# KiCad board q2v2.kicad_pcb (continued)
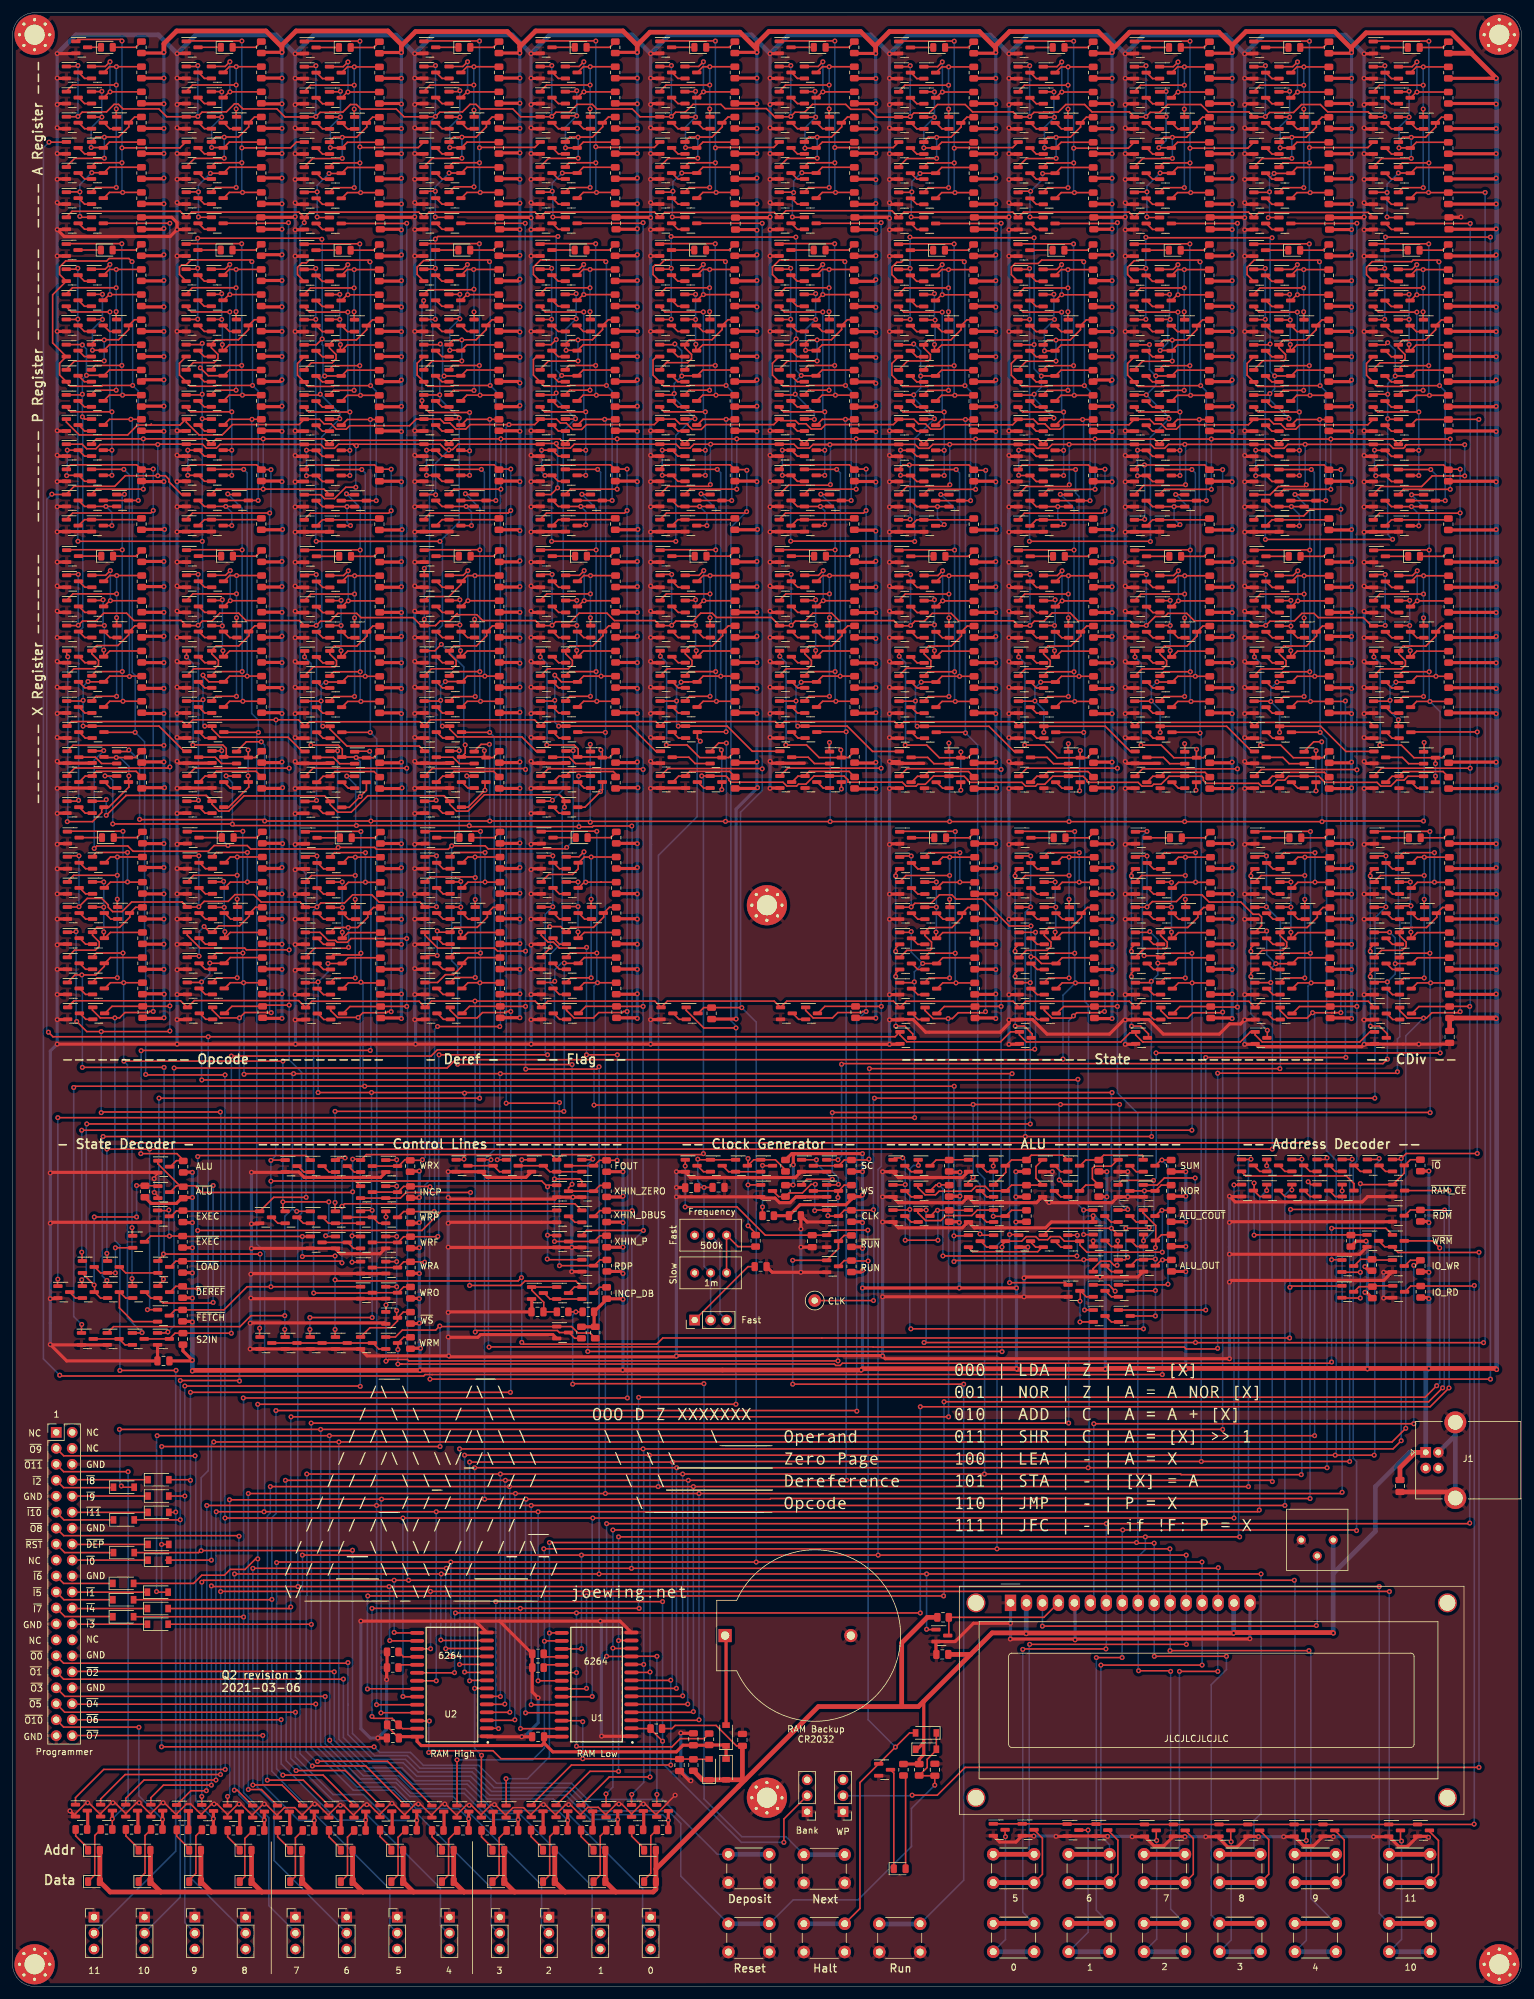
[diagram p0: board, top side]
## Placement (name value [footprint] x y rotation side) (continued)
R378  4.7k  [R_0805_2012Metric]  14.95 24.98 0 top
R379  4.7k  [R_0805_2012Metric]  67.64 24.82 0 top
R380  4.7k  [R_0805_2012Metric]  71.64 24.82 0 top
R381  4.7k  [R_0805_2012Metric]  18.94 24.97 0 top
R382  4.7k  [R_0805_2012Metric]  22.94 24.97 0 top
R383  4.7k  [R_0805_2012Metric]  75.51 24.82 0 top
R384  4.7k  [R_0805_2012Metric]  79.51 24.82 0 top
R385  4.7k  [R_0805_2012Metric]  27.03 24.92 0 top
R386  4.7k  [R_0805_2012Metric]  31.03 24.92 0 top
R387  4.7k  [R_0805_2012Metric]  83.39 24.87 0 top
R388  4.7k  [R_0805_2012Metric]  87.39 24.87 0 top
R389  4.7k  [R_0805_2012Metric]  35.13 24.82 0 top
R390  4.7k  [R_0805_2012Metric]  39.13 24.82 0 top
R391  4.7k  [R_0805_2012Metric]  91.35 24.87 0 top
R392  4.7k  [R_0805_2012Metric]  95.35 24.87 0 top
R393  4.7k  [R_0805_2012Metric]  43.08 24.82 0 top
R394  4.7k  [R_0805_2012Metric]  47.08 24.82 0 top
R395  4.7k  [R_0805_2012Metric]  99.4 24.92 0 top
R396  4.7k  [R_0805_2012Metric]  103.4 24.92 0 top
R397  4.7k  [R_0805_2012Metric]  51.25 24.82 0 top
R398  4.7k  [R_0805_2012Metric]  55.25 24.82 0 top
R399  10k  [R_0805_2012Metric]  228.4 248.4 90 top
R400  10k  [R_0805_2012Metric]  228.6 155 90 top
R401  10k  [R_0805_2012Metric]  228.4 240.4 90 top
R402  10k  [R_0805_2012Metric]  228.4 232.65 90 top
R403  10k  [R_0805_2012Metric]  228.38 252.24 90 top
R404  10k  [R_0805_2012Metric]  228.38 268.24 90 top
R405  4.7k  [R_0805_2012Metric]  228.38 276.24 90 top
R406  10k  [R_0805_2012Metric]  228.38 256.24 90 top
R407  10k  [R_0805_2012Metric]  228.38 272.24 90 top
R408  10k  [R_0805_2012Metric]  228.38 264.24 90 top
R409  10k  [R_0805_2012Metric]  228.38 260.24 90 top
R410  10k  [R_0805_2012Metric]  228.4 284.5 90 top
R411  10k  [R_0805_2012Metric]  228.4 300.5 90 top
R412  4.7k  [R_0805_2012Metric]  228.4 308.5 90 top
R413  10k  [R_0805_2012Metric]  228.4 288.5 90 top
R414  10k  [R_0805_2012Metric]  228.4 304.5 90 top
R415  10k  [R_0805_2012Metric]  228.4 296.5 90 top
R416  10k  [R_0805_2012Metric]  228.4 292.5 90 top
R417  10k  [R_0805_2012Metric]  228.45 195.6 90 top
R418  10k  [R_0805_2012Metric]  228.45 191.5 90 top
R419  10k  [R_0805_2012Metric]  228.45 203.54 90 top
R420  10k  [R_0805_2012Metric]  228.45 219.54 90 top
R421  4.7k  [R_0805_2012Metric]  228.45 227.54 90 top
R422  10k  [R_0805_2012Metric]  228.45 207.54 90 top
R423  10k  [R_0805_2012Metric]  228.45 223.54 90 top
R424  10k  [R_0805_2012Metric]  228.45 215.54 90 top
R425  10k  [R_0805_2012Metric]  228.45 211.54 90 top
R426  10k  [R_0805_2012Metric]  133.9 248.42 90 top
R427  10k  [R_0805_2012Metric]  134.1 155.02 90 top
R428  10k  [R_0805_2012Metric]  228.56 158.76 90 top
R429  10k  [R_0805_2012Metric]  228.56 174.76 90 top
R430  4.7k  [R_0805_2012Metric]  228.56 182.76 90 top
R431  10k  [R_0805_2012Metric]  228.56 162.76 90 top
R432  10k  [R_0805_2012Metric]  228.56 178.76 90 top
R433  10k  [R_0805_2012Metric]  228.56 170.76 90 top
R434  10k  [R_0805_2012Metric]  228.56 166.76 90 top
R435  10k  [R_0805_2012Metric]  114.9 248.42 90 top
R436  10k  [R_0805_2012Metric]  111.2 154.83 90 top
R437  10k  [R_0805_2012Metric]  114.9 284.52 90 top
R438  10k  [R_0805_2012Metric]  114.9 300.52 90 top
R439  4.7k  [R_0805_2012Metric]  114.9 308.52 90 top
R440  10k  [R_0805_2012Metric]  114.9 288.52 90 top
R441  10k  [R_0805_2012Metric]  114.9 304.52 90 top
R442  10k  [R_0805_2012Metric]  114.9 296.52 90 top
R443  10k  [R_0805_2012Metric]  114.9 292.52 90 top
R444  10k  [R_0805_2012Metric]  114.95 195.62 90 top
R445  10k  [R_0805_2012Metric]  114.95 191.52 90 top
R446  10k  [R_0805_2012Metric]  114.95 203.56 90 top
R447  10k  [R_0805_2012Metric]  114.95 219.56 90 top
R448  4.7k  [R_0805_2012Metric]  114.95 227.56 90 top
R449  10k  [R_0805_2012Metric]  114.95 207.56 90 top
R450  10k  [R_0805_2012Metric]  114.95 223.56 90 top
R451  10k  [R_0805_2012Metric]  114.95 215.56 90 top
R452  10k  [R_0805_2012Metric]  114.95 211.56 90 top
R453  10k  [R_0805_2012Metric]  114.9 240.42 90 top
R454  10k  [R_0805_2012Metric]  114.9 232.67 90 top
R455  10k  [R_0805_2012Metric]  133.88 252.27 90 top
R456  10k  [R_0805_2012Metric]  133.88 268.27 90 top
R457  4.7k  [R_0805_2012Metric]  133.88 276.27 90 top
R458  10k  [R_0805_2012Metric]  133.88 256.27 90 top
R459  10k  [R_0805_2012Metric]  133.88 272.27 90 top
R460  10k  [R_0805_2012Metric]  133.88 264.27 90 top
R461  10k  [R_0805_2012Metric]  133.88 260.27 90 top
R462  10k  [R_0805_2012Metric]  133.9 284.52 90 top
R463  10k  [R_0805_2012Metric]  133.9 300.52 90 top
R464  4.7k  [R_0805_2012Metric]  133.9 308.52 90 top
R465  10k  [R_0805_2012Metric]  133.9 288.52 90 top
R466  10k  [R_0805_2012Metric]  133.9 304.52 90 top
R467  10k  [R_0805_2012Metric]  133.9 296.52 90 top
R468  10k  [R_0805_2012Metric]  133.9 292.52 90 top
R469  10k  [R_0805_2012Metric]  133.95 195.62 90 top
R470  10k  [R_0805_2012Metric]  133.95 191.52 90 top
R471  10k  [R_0805_2012Metric]  133.95 203.56 90 top
R472  10k  [R_0805_2012Metric]  133.95 219.56 90 top
R473  4.7k  [R_0805_2012Metric]  133.95 227.56 90 top
R474  10k  [R_0805_2012Metric]  133.95 207.56 90 top
R475  10k  [R_0805_2012Metric]  133.95 223.56 90 top
R476  10k  [R_0805_2012Metric]  133.95 215.56 90 top
R477  10k  [R_0805_2012Metric]  133.95 211.56 90 top
R478  10k  [R_0805_2012Metric]  114.88 252.27 90 top
R479  10k  [R_0805_2012Metric]  114.88 268.27 90 top
R480  4.7k  [R_0805_2012Metric]  114.88 276.27 90 top
R481  10k  [R_0805_2012Metric]  114.88 256.27 90 top
R482  10k  [R_0805_2012Metric]  114.88 272.27 90 top
R483  10k  [R_0805_2012Metric]  114.88 264.27 90 top
R484  10k  [R_0805_2012Metric]  114.88 260.27 90 top
R485  10k  [R_0805_2012Metric]  133.9 240.42 90 top
R486  10k  [R_0805_2012Metric]  133.9 232.67 90 top
RV1  1m  [Potentiometer_Bourns_3296W_Vertical]  108.5 113.53 180 top
RV2  500k  [Potentiometer_Bourns_3296W_Vertical]  108.5 119.53 180 top
RV3  10k  [Potentiometer_Bourns_3386P_Vertical]  205 71.03 270 top
SW1  Speed  [PinHeader_1x03_P2.54mm_Vertical]  108.5 106.03 90 top
SW2  WP  [PinHeader_1x03_P2.54mm_Vertical]  132.1 27.8 180 top
SW3  Bank  [PinHeader_1x03_P2.54mm_Vertical]  126.4 27.8 180 top
SW4  Halt  [SW_PUSH_6mm]  125.87 9.98 0 top
SW5  Reset  [SW_PUSH_6mm]  113.87 9.98 0 top
SW6  Deposit  [SW_PUSH_6mm]  113.87 21.03 0 top
SW7  Run  [SW_PUSH_6mm]  137.87 9.98 0 top
SW8  Next  [SW_PUSH_6mm]  125.87 20.98 0 top
SW9  Input  [SW_PUSH_6mm]  219 21.03 0 top
SW10  Input  [SW_PUSH_6mm]  219 10.03 0 top
SW11  Input  [SW_PUSH_6mm]  204 21.03 0 top
SW12  Input  [SW_PUSH_6mm]  192 21.03 0 top
SW13  Input  [SW_PUSH_6mm]  180 21.03 0 top
SW14  Input  [SW_PUSH_6mm]  168 21.03 0 top
SW15  Input  [SW_PUSH_6mm]  156 21.03 0 top
SW16  Input  [SW_PUSH_6mm]  204 10.03 0 top
SW17  Input  [SW_PUSH_6mm]  192 10.03 0 top
SW18  Input  [SW_PUSH_6mm]  180 10.03 0 top
SW19  Input  [SW_PUSH_6mm]  168 10.03 0 top
SW20  Input  [SW_PUSH_6mm]  156 10.03 0 top
SW21  SW  [PinHeader_1x03_P2.54mm_Vertical]  61.2 11.03 0 top
SW22  SW  [PinHeader_1x03_P2.54mm_Vertical]  12.95 11.03 0 top
SW23  SW  [PinHeader_1x03_P2.54mm_Vertical]  69.5 11.03 0 top
SW24  SW  [PinHeader_1x03_P2.54mm_Vertical]  20.99 11.03 0 top
SW25  SW  [PinHeader_1x03_P2.54mm_Vertical]  77.5 11.03 0 top
SW26  SW  [PinHeader_1x03_P2.54mm_Vertical]  29 11.03 0 top
SW27  SW  [PinHeader_1x03_P2.54mm_Vertical]  85.32 11.03 0 top
SW28  SW  [PinHeader_1x03_P2.54mm_Vertical]  37.07 11.03 0 top
SW29  SW  [PinHeader_1x03_P2.54mm_Vertical]  93.5 11.03 0 top
SW30  SW  [PinHeader_1x03_P2.54mm_Vertical]  45 11.03 0 top
SW31  SW  [PinHeader_1x03_P2.54mm_Vertical]  101.5 11.03 0 top
SW32  SW  [PinHeader_1x03_P2.54mm_Vertical]  53.15 11.03 0 top
TP1  CLK  [TestPoint_Loop_D2.50mm_Drill1.0mm]  127.6 109.13 0 top
U1  6264  [SOIC127P1210X305-28N]  92.9 48.03 180 top
U2  6264  [SOIC127P1210X305-28N]  69.9 48.03 180 top

## Library data of the parts
C1-C5 C11 C20 C25 = -: LCSC: C28323
C6-C10 C14-C19 C21-C24 C26-C28 = -: LCSC: C49678
C12 = -: LCSC: C46653
D1-D29 D33-D40 D67 D68 D83-D90 = -: LCSC: C2293
D30-D32 D41 D42 D69-D82 = -: LCSC: C19167
D43-D66 = -: LCSC: C34499
Q1-Q1099 = -: LCSC: C8545
R1-R6 R8-R13 R15-R22 R24-R29 R31-R34 R36-R38 R41-R46 R48-R50 R53 R54 R58-R65 R67-R72 R74-R81 R83-R88 R90-R99 R101-R106 R108-R115 R117-R122 R124-R127 R129-R131 R134-R136 R138-R143 R145-R150 R152-R159 R161-R166 R168-R177 R179-R184 R186-R193 R195-R200 R202-R224 R226-R231 R233-R240 R242-R247 R249-R258 R260-R265 R267-R274 R276-R281 R283-R307 R309-R314 R316-R323 R325-R330 R332-R341 R343-R348 R350-R357 R359-R364 R366-R374 R399-R404 R406-R411 R413-R420 R422-R429 R431-R438 R440-R447 R449-R456 R458-R463 R465-R472 R474-R479 R481-R486 = -: LCSC: C17414
R7 R14 R23 R30 R66 R73 R82 R89 R100 R107 R116 R123 R137 R144 R151 R160 R167 R178 R185 R194 R201 R225 R232 R241 R248 R259 R266 R275 R282 R308 R315 R324 R331 R342 R349 R358 R365 R375-R398 R405 R412 R421 R430 R439 R448 R457 R464 R473 R480 = -: LCSC: C17673
R35 R39 R40 R51 R52 R55-R57 R128 R132 R133 = -: LCSC: C17513
U1 U2 = -: LCSC: C261872

## Footprints (pads in the part's own frame, mm; a bottom-side part is the same pattern mirrored in y, then rotated)
BatteryHolder_ComfortableElectronic_CH273-2450_1x2450
  rect 2.1x2.1 hole 1.3: 1(0,0)
  round 2.1 hole 1.3: 2(20,0)
C_0805_2012Metric
  rrect 1x1.45 smd: 1(-0.95,0) 2(0.95,0)
D_SOD-123
  rect 0.9x1.2 smd: 1(-1.65,0) 2(1.65,0)
LED_0805_2012Metric
  rrect 0.975x1.4 smd: 1(-0.938,0) 2(0.938,0)
MountingHole_3.2mm_M3_Pad_Via
  round 0.8 hole 0.5: 1(-2.4,0) 1(-1.697,1.697) 1(-1.697,-1.697) 1(0,2.4) 1(0,-2.4) 1(1.697,1.697) 1(1.697,-1.697) 1(2.4,0)
  round 6.4 hole 3.2: 1(0,0)
PinHeader_1x03_P2.54mm_Vertical
  rect 1.7x1.7 hole 1: 1(0,0)
  oval 1.7x1.7 hole 1: 2(0,-2.54) 3(0,-5.08)
PinHeader_2x20_P2.54mm_Vertical
  rect 1.7x1.7 hole 1: 1(0,0)
  oval 1.7x1.7 hole 1: 2(2.54,0) 3(0,-2.54) 4(2.54,-2.54) 5(0,-5.08) 6(2.54,-5.08) 7(0,-7.62) 8(2.54,-7.62) 9(0,-10.16) 10(2.54,-10.16) 11(0,-12.7) 12(2.54,-12.7) 13(0,-15.24) 14(2.54,-15.24) 15(0,-17.78) 16(2.54,-17.78) 17(0,-20.32) 18(2.54,-20.32) 19(0,-22.86) 20(2.54,-22.86) 21(0,-25.4) 22(2.54,-25.4) 23(0,-27.94) 24(2.54,-27.94) 25(0,-30.48) 26(2.54,-30.48) 27(0,-33.02) 28(2.54,-33.02) 29(0,-35.56) 30(2.54,-35.56) 31(0,-38.1) 32(2.54,-38.1) 33(0,-40.64) 34(2.54,-40.64) 35(0,-43.18) 36(2.54,-43.18) 37(0,-45.72) 38(2.54,-45.72) 39(0,-48.26) 40(2.54,-48.26)
Potentiometer_Bourns_3296W_Vertical
  round 1.44 hole 0.8: 1(0,0) 2(-2.54,0) 3(-5.08,0)
Potentiometer_Bourns_3386P_Vertical
  round 1.44 hole 0.8: 1(0,0) 2(2.54,2.54) 3(0,5.08)
R_0805_2012Metric
  rrect 1.025x1.4 smd: 1(-0.912,0) 2(0.912,0)
SOIC127P1210X305-28N
  oval 2.25x0.6 smd: 1(-5.55,8.225) 2(-5.55,6.955) 3(-5.55,5.685) 4(-5.55,4.415) 5(-5.55,3.145) 6(-5.55,1.875) 7(-5.55,0.605) 8(-5.55,-0.665) 9(-5.55,-1.935) 10(-5.55,-3.205) 11(-5.55,-4.475) 12(-5.55,-5.745) 13(-5.55,-7.015) 14(-5.55,-8.285) 15(5.55,-8.225) 16(5.55,-6.955) 17(5.55,-5.685) 18(5.55,-4.415) 19(5.55,-3.145) 20(5.55,-1.875) 21(5.55,-0.605) 22(5.55,0.665) 23(5.55,1.935) 24(5.55,3.205) 25(5.55,4.475) 26(5.55,5.745) 27(5.55,7.015) 28(5.55,8.285)
SOT-23
  rrect 1.475x0.6 smd: 1(-0.938,0.95) 2(-0.938,-0.95) 3(0.938,0)
SW_PUSH_6mm
  round 2 hole 1.1: 1(0,0) 1(6.5,0) 2(0,-4.5) 2(6.5,-4.5)
TestPoint_Loop_D2.50mm_Drill1.0mm
  round 2 hole 1: 1(0,0)
USB_B_OST_USB-B1HSxx_Horizontal
  rect 1.7x1.7 hole 0.92: 1(0,0)
  round 1.7 hole 0.92: 2(0,-2.5) 3(2,-2.5) 4(2,0)
  round 3.5 hole 2.33: 5(4.71,4.77) 5(4.71,-7.27)
WC1602A
  round 3 hole 2.5: (-5.499,0) (-5.499,-31.001) (69.499,-31.001) (69.5,0)
  rect 1.8x2.6 hole 1.2: 1(0,0)
  oval 1.8x2.6 hole 1.2: 2(2.54,0) 3(5.08,0) 4(7.62,0) 5(10.16,0) 6(12.7,0) 7(15.24,0) 8(17.78,0) 9(20.32,0) 10(22.86,0) 11(25.4,0) 12(27.94,0) 13(30.48,0) 14(33.02,0) 15(35.56,0) 16(38.1,0)

## Nets
GND: BT1.2 C1.2 C2.2 C3.2 C4.2 C5.2 C6.2 C7.1 C8.2 C9.2 C10.1 C11.1 C12.1 C13.1 C14.2 C15.2 C16.2 C17.2 C18.1 C19.1 C20.2 C21.1 C22.2 C23.2 C24.1 C25.1 C26.2 C27.2 C28.2 DS1.1 DS1.5 DS1.16 H1.1 H2.1 H3.1 H4.1 H5.1 H6.1 J1.4 J1.5 J2.6 J2.9 J2.14 J2.20 J2.25 J2.30 J2.34 J2.39 Q2.2 Q4.2 Q9.2 Q10.2 Q11.2 Q12.2 Q13.2 Q18.2 Q25.2 Q29.2 Q32.2 Q33.2 Q34.2 Q37.2 Q38.2 Q41.2 Q43.2 Q48.2 Q49.2 Q50.2 Q51.2 Q52.2 Q53.2 Q56.2 Q57.2 Q58.2 Q61.2 Q62.2 Q65.2 Q67.2 Q70.2 Q71.2 Q72.2 Q75.2 Q76.2 Q79.2 Q81.2 Q90.2 Q92.2 Q94.2 Q95.2 Q96.2 Q98.2 Q99.2 Q100.2 Q101.2 Q102.2 Q103.2 Q104.2 Q105.2 Q106.2 Q108.2 Q111.2 Q112.2 Q113.2 Q114.2 Q115.2 Q118.2 Q120.2 Q123.2 Q129.2 Q131.2 Q135.2 Q136.2 Q137.2 Q138.2 Q139.2 Q140.2 Q141.2 Q142.2 Q144.2 Q146.2 Q151.2 Q152.2 Q153.2 Q154.2 Q155.2 Q160.2 Q167.2 Q171.2 Q174.2 Q175.2 Q176.2 Q179.2 Q180.2 Q183.2 Q185.2 Q190.2 Q191.2 Q192.2 Q193.2 Q194.2 Q195.2 Q198.2 Q199.2 Q200.2 Q203.2 Q204.2 Q207.2 Q209.2 Q212.2 Q213.2 Q214.2 Q217.2 Q218.2 Q221.2 Q223.2 Q225.2 Q226.2 Q228.2 Q233.2 Q234.2 Q235.2 Q236.2 Q237.2 Q242.2 Q249.2 Q253.2 Q256.2 Q257.2 Q258.2 Q261.2 Q262.2 Q265.2 Q267.2 Q271.2 Q272.2 Q273.2 Q274.2 Q277.2 Q278.2 Q279.2 Q282.2 Q283.2 Q286.2 Q288.2 Q291.2 Q292.2 Q293.2 Q300.2 Q303.2 Q304.2 Q307.2 Q308.2 Q310.2 Q311.2 Q312.2 Q313.2 Q314.2 Q315.2 Q317.2 Q319.2 Q324.2 Q325.2 Q326.2 Q327.2 Q328.2 Q333.2 Q340.2 Q344.2 Q347.2 Q348.2 Q349.2 Q352.2 Q353.2 Q356.2 Q358.2 Q363.2 Q364.2 Q365.2 Q366.2 Q367.2 Q368.2 Q371.2 Q372.2 Q373.2 Q376.2 Q377.2 Q380.2 Q382.2 Q385.2 Q386.2 Q387.2 Q390.2 Q391.2 Q394.2 Q396.2 Q398.2 Q399.2 Q401.2 Q406.2 Q407.2 Q408.2 Q409.2 Q410.2 Q415.2 Q422.2 Q426.2 Q429.2 Q430.2 Q431.2 Q434.2 Q435.2 Q438.2 Q440.2 Q444.2 Q445.2 Q446.2 Q447.2 Q450.2 Q451.2 Q452.2 Q455.2 Q456.2 Q459.2 Q461.2 Q464.2 Q465.2 Q466.2 Q473.2 Q477.2 Q480.2 Q481.2 Q483.2 Q486.2 Q489.2 Q490.2 Q491.2 Q492.2 Q497.2 Q505.2 Q510.2 Q511.2 Q512.2 Q513.2 Q514.2 Q516.2 Q518.2 Q523.2 Q524.2 Q525.2 Q526.2 Q527.2 Q532.2 Q539.2 Q543.2 Q546.2 Q547.2 Q548.2 Q551.2 Q552.2 Q555.2 Q557.2 Q562.2 Q563.2 Q564.2 Q565.2 Q566.2 Q567.2 Q570.2 Q571.2 Q572.2 Q575.2 Q576.2 Q579.2 Q581.2 Q584.2 Q585.2 Q586.2 Q589.2 Q590.2 Q593.2 Q595.2 Q597.2 Q598.2 Q600.2 Q605.2 Q606.2 Q607.2 Q608.2 Q609.2 Q614.2 Q621.2 Q625.2 Q628.2 Q629.2 Q630.2 Q633.2 Q634.2 Q637.2 Q639.2 Q643.2 Q644.2 Q645.2 Q646.2 Q649.2 Q650.2 Q651.2 Q654.2 Q655.2 Q658.2 Q660.2 Q663.2 Q664.2 Q665.2 Q672.2 Q675.2 Q676.2 Q684.2 Q687.2 Q693.2 Q694.2 Q696.2 Q698.2 Q703.2 Q704.2 Q705.2 Q706.2 Q707.2 Q712.2 Q719.2 Q723.2 Q726.2 Q727.2 Q728.2 Q731.2 Q732.2 Q735.2 Q737.2 Q742.2 Q743.2 Q744.2 Q745.2 Q746.2 Q747.2 Q750.2 Q751.2 Q752.2 Q755.2 Q756.2 Q759.2 Q761.2 Q764.2 Q765.2 Q766.2 Q769.2 Q770.2 Q773.2 Q775.2 Q777.2 Q778.2 Q780.2 Q785.2 Q786.2 Q787.2 Q788.2 Q789.2 Q794.2 Q801.2 Q805.2 Q808.2 Q809.2 Q810.2 Q813.2 Q814.2 Q817.2 Q819.2 Q823.2 Q824.2 Q825.2 Q826.2 Q829.2 Q830.2 Q831.2 Q834.2 Q835.2 Q838.2 Q840.2 Q843.2 Q844.2 Q845.2 Q852.2 Q855.2 Q856.2 Q857.2 Q858.2 Q859.2 Q860.2 Q861.2 Q862.2 Q863.2 Q864.2 Q865.2 Q866.2 Q867.2 Q868.2 Q869.2 Q870.2 Q871.2 Q872.2 Q873.2 Q874.2 Q875.2 Q876.2 Q877.2 Q878.2 Q879.2 Q880.2 Q881.2 Q882.2 Q883.2 Q884.2 Q885.2 Q886.2 Q887.2 Q888.2 Q889.2 Q890.2 Q891.2 Q892.2 Q894.2 Q895.2 Q897.2 Q902.2 Q903.2 Q904.2 Q905.2 Q906.2 Q911.2 Q918.2 Q922.2 Q925.2 Q926.2 Q927.2 Q930.2 Q931.2 Q934.2 Q936.2 Q940.2 Q941.2 Q942.2 Q943.2 Q946.2 Q947.2 Q948.2 Q951.2 Q952.2 Q955.2 Q957.2 Q959.2 Q962.2 Q963.2 Q964.2 Q971.2 Q975.2 Q978.2 Q979.2 Q980.2 Q983.2 Q984.2 Q987.2 Q989.2 Q993.2 Q994.2 Q995.2 Q996.2 Q999.2 Q1000.2 Q1001.2 Q1004.2 Q1005.2 Q1008.2 Q1010.2 Q1012.2 Q1014.2 Q1019.2 Q1020.2 Q1021.2 Q1022.2 Q1023.2 Q1028.2 Q1035.2 Q1039.2 Q1042.2 Q1043.2 Q1044.2 Q1047.2 Q1048.2 Q1051.2 Q1053.2 Q1057.2 Q1058.2 Q1059.2 Q1060.2 Q1063.2 Q1064.2 Q1065.2 Q1068.2 Q1069.2 Q1072.2 Q1074.2 Q1079.2 Q1086.2 Q1090.2 Q1095.2 Q1096.2 Q1097.2 Q1098.2 Q1099.2 R294.2 R295.2 R296.2 R297.2 RV3.1 SW2.1 SW3.1 SW4.2 SW5.2 SW6.2 SW7.2 SW8.2 SW21.1 SW22.1 SW23.1 SW24.1 SW25.1 SW26.1 SW27.1 SW28.1 SW29.1 SW30.1 SW31.1 SW32.1 U1.1 U1.14 U2.1 U2.14
VCC: C1.1 C2.1 C3.1 C4.1 C5.1 C6.1 C8.1 C9.1 C10.2 C14.1 C15.1 C16.1 C17.1 C22.1 C23.1 C26.1 C27.1 C28.1 D31.2 D32.1 D42.1 D43.2 D44.2 D45.2 D46.2 D47.2 D48.2 D49.2 D50.2 D51.2 D52.2 D53.2 D54.2 D55.2 D56.2 D57.2 D58.2 D59.2 D60.2 D61.2 D62.2 D63.2 D64.2 D65.2 D66.2 DS1.2 DS1.15 J1.1 Q52.1 R1.1 R2.1 R3.1 R4.1 R5.1 R6.1 R7.1 R8.1 R9.1 R10.1 R11.1 R12.1 R13.1 R14.1 R15.1 R16.1 R17.1 R18.1 R19.1 R20.1 R21.1 R22.1 R23.1 R24.1 R25.1 R26.1 R27.1 R28.1 R29.1 R30.1 R31.1 R32.1 R33.1 R34.1 R35.1 R36.1 R37.1 R38.1 R39.1 R40.1 R41.1 R42.1 R43.1 R44.1 R45.1 R46.1 R48.1 R49.1 R50.1 R51.1 R52.1 R54.1 R55.1 R56.1 R57.1 R58.1 R59.1 R60.1 R61.1 R62.1 R63.1 R64.1 R65.1 R66.1 R67.1 R68.1 R69.1 R70.1 R71.1 R72.1 R73.1 R74.1 R75.1 R76.1 R77.1 R78.1 R79.1 R80.1 R81.1 R82.1 R83.1 R84.1 R85.1 R86.1 R87.1 R88.1 R89.1 R90.1 R91.1 R92.1 R93.1 R94.1 R95.1 R96.1 R97.1 R98.1 R99.1 R100.1 R101.1 R102.1 R103.1 R104.1 R105.1 R106.1 R107.1 R108.1 R109.1 R110.1 R111.1 R112.1 R113.1 R114.1 R115.1 R116.1 R117.1 R118.1 R119.1 R120.1 R121.1 R122.1 R123.1 R124.1 R125.1 R126.1 R127.1 R128.1 R130.1 R131.1 R132.1 R133.1 R134.1 R135.1 R136.1 R137.1 R138.1 R139.1 R140.1 R141.1 R142.1 R143.1 R144.1 R145.1 R146.1 R147.1 R148.1 R149.1 R150.1 R151.1 R152.1 R153.1 R154.1 R155.1 R156.1 R157.1 R158.1 R159.1 R160.1 R161.1 R162.1 R163.1 R164.1 R165.1 R166.1 R167.1 R168.1 R169.1 R170.1 R171.1 R172.1 R173.1 R174.1 R175.1 R176.1 R177.1 R178.1 R179.1 R180.1 R181.1 R182.1 R183.1 R184.1 R185.1 R186.1 R187.1 R188.1 R189.1 R190.1 R191.1 R192.1 R193.1 R194.1 R195.1 R196.1 R197.1 R198.1 R199.1 R200.1 R201.1 R202.1 R203.1 R204.1 R205.1 R206.1 R207.1 R208.1 R209.1 R210.1 R211.1 R212.1 R213.1 R214.1 R215.1 R216.1 R217.1 R218.1 R219.1 R220.1 R221.1 R222.1 R223.1 R224.1 R225.1 R226.1 R227.1 R228.1 R229.1 R230.1 R231.1 R232.1 R233.1 R234.1 R235.1 R236.1 R237.1 R238.1 R239.1 R240.1 R241.1 R242.1 R243.1 R244.1 R245.1 R246.1 R247.1 R248.1 R249.1 R250.1 R251.1 R252.1 R253.1 R254.1 R255.1 R256.1 R257.1 R258.1 R259.1 R260.1 R261.1 R262.1 R263.1 R264.1 R265.1 R266.1 R267.1 R268.1 R269.1 R270.1 R271.1 R272.1 R273.1 R274.1 R275.1 R276.1 R277.1 R278.1 R279.1 R280.1 R281.1 R282.1 R283.1 R284.1 R285.1 R286.1 R287.1 R288.1 R289.1 R290.1 R291.1 R298.1 R299.1 R300.1 R301.1 R302.1 R303.1 R304.1 R305.1 R306.1 R307.1 R308.1 R309.1 R310.1 R311.1 R312.1 R313.1 R314.1 R315.1 R316.1 R317.1 R318.1 R319.1 R320.1 R321.1 R322.1 R323.1 R324.1 R325.1 R326.1 R327.1 R328.1 R329.1 R330.1 R331.1 R332.1 R333.1 R334.1 R335.1 R336.1 R337.1 R338.1 R339.1 R340.1 R341.1 R342.1 R343.1 R344.1 R345.1 R346.1 R347.1 R348.1 R349.1 R350.1 R351.1 R352.1 R353.1 R354.1 R355.1 R356.1 R357.1 R358.1 R359.1 R360.1 R361.1 R362.1 R363.1 R364.1 R365.1 R366.1 R367.1 R368.1 R369.1 R370.1 R371.1 R372.1 R373.1 R374.1 R399.1 R400.1 R401.1 R402.1 R403.1 R404.1 R405.1 R406.1 R407.1 R408.1 R409.1 R410.1 R411.1 R412.1 R413.1 R414.1 R415.1 R416.1 R417.1 R418.1 R419.1 R420.1 R421.1 R422.1 R423.1 R424.1 R425.1 R426.1 R427.1 R428.1 R429.1 R430.1 R431.1 R432.1 R433.1 R434.1 R435.1 R436.1 R437.1 R438.1 R439.1 R440.1 R441.1 R442.1 R443.1 R444.1 R445.1 R446.1 R447.1 R448.1 R449.1 R450.1 R451.1 R452.1 R453.1 R454.1 R455.1 R456.1 R457.1 R458.1 R459.1 R460.1 R461.1 R462.1 R463.1 R464.1 R465.1 R466.1 R467.1 R468.1 R469.1 R470.1 R471.1 R472.1 R473.1 R474.1 R475.1 R476.1 R477.1 R478.1 R479.1 R480.1 R481.1 R482.1 R483.1 R484.1 R485.1 R486.1 RV3.3
/ALU/ALU_NOR: Q502.1 Q513.3 Q514.3 R218.2
/ALU/ALU_SUM: Q488.3 Q503.1 R213.2
/ALU/~{ALU_OUT}: Q492.1 Q494.1 Q501.3 Q502.3 Q503.3 Q504.3 R217.2
/Bit 0/A Register/A DFF/~{Q}: Q921.1 Q925.1 Q928.3 R413.2
/Bit 0/AIN: Q806.3 Q810.1 Q811.1 Q936.1 R347.2
/Bit 0/P Register/P DFF/CLR: Q900.3 Q901.3 Q914.2 Q915.2 Q920.2
/Bit 0/P Register/P DFF/Q: Q907.3 Q911.1 Q912.1 R403.2
/Bit 0/P Register/P DFF/SET: Q898.3 Q899.3 Q909.2 Q910.2
/Bit 0/S Register/CLR: Q895.3 Q967.2 Q968.2 Q973.2
/Bit 0/X Register/X DFF/D: Q937.3 Q939.3 Q957.1 R417.2
/Bit 0/~{P}: Q798.1 Q801.1 Q896.1 Q909.1 Q912.3 Q920.1 R406.2
/Bit 0/~{XIN}: Q782.1 Q821.1 Q829.1 Q832.3 Q943.1 R359.2
/Bit 1/A Register/A DFF/~{Q}: Q804.1 Q808.1 Q811.3 R350.2
/Bit 1/AIN: Q626.3 Q630.1 Q631.1 Q819.1 R264.2
/Bit 1/P Register/P DFF/CLR: Q783.3 Q784.3 Q797.2 Q798.2 Q803.2
/Bit 1/P Register/P DFF/Q: Q790.3 Q794.1 Q795.1 R340.2
/Bit 1/P Register/P DFF/SET: Q781.3 Q782.3 Q792.2 Q793.2
/Bit 1/S Register/CLR: Q778.3 Q848.2 Q849.2 Q854.2
/Bit 1/X Register/X DFF/D: Q820.3 Q822.3 Q840.1 R354.2
/Bit 1/~{P}: Q618.1 Q621.1 Q779.1 Q792.1 Q795.3 Q803.1 R343.2
/Bit 1/~{XIN}: Q602.1 Q641.1 Q649.1 Q652.3 Q826.1 R276.2
/Bit 2/A Register/A DFF/~{Q}: Q624.1 Q628.1 Q631.3 R267.2
/Bit 2/AIN: Q427.3 Q431.1 Q432.1 Q639.1 R183.2
/Bit 2/P Register/P DFF/CLR: Q603.3 Q604.3 Q617.2 Q618.2 Q623.2
/Bit 2/P Register/P DFF/Q: Q610.3 Q614.1 Q615.1 R257.2
/Bit 2/P Register/P DFF/SET: Q601.3 Q602.3 Q612.2 Q613.2
/Bit 2/S Register/CLR: Q598.3 Q668.2 Q669.2 Q674.2
/Bit 2/X Register/X DFF/D: Q640.3 Q642.3 Q660.1 R271.2
/Bit 2/XOUT: Q604.1 Q647.3 Q651.1 Q652.1 R273.2
/Bit 2/~{P}: Q419.1 Q422.1 Q599.1 Q612.1 Q615.3 Q623.1 R260.2
/Bit 2/~{XIN}: Q403.1 Q442.1 Q450.1 Q453.3 Q646.1 R195.2
/Bit 3/A Register/A DFF/~{Q}: Q425.1 Q429.1 Q432.3 R186.2
/Bit 3/AIN: Q254.3 Q258.1 Q259.1 Q440.1 R105.2
/Bit 3/P Register/P DFF/CLR: Q404.3 Q405.3 Q418.2 Q419.2 Q424.2
/Bit 3/P Register/P DFF/Q: Q411.3 Q415.1 Q416.1 R176.2
/Bit 3/P Register/P DFF/SET: Q402.3 Q403.3 Q413.2 Q414.2
/Bit 3/S Register/CLR: Q399.3 Q469.2 Q470.2 Q475.2
/Bit 3/X Register/X DFF/D: Q441.3 Q443.3 Q461.1 R190.2
/Bit 3/XOUT: Q405.1 Q448.3 Q452.1 Q453.1 R192.2
/Bit 3/~{P}: Q246.1 Q249.1 Q400.1 Q413.1 Q416.3 Q424.1 R179.2
/Bit 3/~{XIN}: Q230.1 Q269.1 Q277.1 Q280.3 Q447.1 R117.2
/Bit 4/A Register/A DFF/~{Q}: Q252.1 Q256.1 Q259.3 R108.2
/Bit 4/AIN: Q267.1 Q1040.3 Q1044.1 Q1045.1 R462.2
/Bit 4/P Register/P DFF/CLR: Q231.3 Q232.3 Q245.2 Q246.2 Q251.2
/Bit 4/P Register/P DFF/Q: Q238.3 Q242.1 Q243.1 R98.2
/Bit 4/P Register/P DFF/SET: Q229.3 Q230.3 Q240.2 Q241.2
/Bit 4/S Register/CLR: Q226.3 Q296.2 Q297.2 Q302.2
/Bit 4/SOUT: Q289.3 Q293.1 Q294.1 R121.2
/Bit 4/X Register/X DFF/D: Q268.3 Q270.3 Q288.1 R112.2
/Bit 4/XOUT: Q232.1 Q275.3 Q279.1 Q280.1 R114.2
/Bit 4/~{P}: Q227.1 Q240.1 Q243.3 Q251.1 Q1032.1 Q1035.1 R101.2
/Bit 4/~{XIN}: Q274.1 Q1055.1 Q1063.1 Q1066.3 Q1092.1 R474.2
/Bit 5/A Register (5)/A DFF/~{Q}: Q1038.1 Q1042.1 Q1045.3 R465.2
/Bit 5/AIN: Q976.3 Q980.1 Q981.1 Q1053.1 R437.2
/Bit 5/P Register (5)/P DFF/CLR: Q1031.2 Q1032.2 Q1037.2 Q1093.3 Q1094.3
/Bit 5/P Register (5)/P DFF/Q: Q1024.3 Q1028.1 Q1029.1 R455.2
/Bit 5/P Register (5)/P DFF/SET: Q1026.2 Q1027.2 Q1091.3 Q1092.3
/Bit 5/X Register (5)/X DFF/D: Q1054.3 Q1056.3 Q1074.1 R469.2
/Bit 5/XOUT: Q1061.3 Q1065.1 Q1066.1 Q1094.1 R471.2
/Bit 5/~{P}: Q1026.1 Q1029.3 Q1037.1 Q1083.1 Q1086.1 Q1089.1 R458.2
/Bit 5/~{XIN}: Q991.1 Q999.1 Q1002.3 Q1016.1 Q1060.1 R449.2
/Bit 6/A Register (6)/A DFF/~{Q}: Q978.1 Q981.3 Q1011.1 R440.2
/Bit 6/AIN: Q724.3 Q728.1 Q729.1 Q989.1 R313.2
/Bit 6/P Register (6)/P DFF/CLR: Q1017.3 Q1018.3 Q1082.2 Q1083.2 Q1088.2
/Bit 6/P Register (6)/P DFF/Q: Q1075.3 Q1079.1 Q1080.1 R478.2
/Bit 6/P Register (6)/P DFF/SET: Q1015.3 Q1016.3 Q1077.2 Q1078.2
/Bit 6/X Register (6)/X DFF/D: Q990.3 Q992.3 Q1010.1 R444.2
/Bit 6/XOUT: Q997.3 Q1001.1 Q1002.1 Q1018.1 R446.2
/Bit 6/~{P}: Q716.1 Q719.1 Q1013.1 Q1077.1 Q1080.3 Q1088.1 R481.2
/Bit 6/~{XIN}: Q700.1 Q739.1 Q750.1 Q753.3 Q996.1 R325.2
/Bit 7/A Register/A DFF/~{Q}: Q722.1 Q726.1 Q729.3 R316.2
/Bit 7/AIN: Q544.3 Q548.1 Q549.1 Q737.1 R230.2
/Bit 7/P Register/P DFF/CLR: Q701.3 Q702.3 Q715.2 Q716.2 Q721.2
/Bit 7/P Register/P DFF/Q: Q708.3 Q712.1 Q713.1 R306.2
/Bit 7/P Register/P DFF/SET: Q699.3 Q700.3 Q710.2 Q711.2
/Bit 7/X Register/X DFF/D: Q738.3 Q740.3 Q741.3 Q742.3 Q761.1 R320.2
/Bit 7/XOUT: Q702.1 Q748.3 Q752.1 Q753.1 R322.2
/Bit 7/~{P}: Q536.1 Q539.1 Q697.1 Q710.1 Q713.3 Q721.1 Q745.1 R309.2
/Bit 7/~{XIN}: Q520.1 Q559.1 Q570.1 Q573.3 Q746.1 R242.2
/Bit 8/A Register/A DFF/~{Q}: Q542.1 Q546.1 Q549.3 R233.2
/Bit 8/AIN: Q345.3 Q349.1 Q350.1 Q557.1 R149.2
/Bit 8/P Register/P DFF/CLR: Q521.3 Q522.3 Q535.2 Q536.2 Q541.2
/Bit 8/P Register/P DFF/Q: Q528.3 Q532.1 Q533.1 R223.2
/Bit 8/P Register/P DFF/SET: Q519.3 Q520.3 Q530.2 Q531.2
/Bit 8/X Register/X DFF/D: Q558.3 Q560.3 Q561.3 Q562.3 Q581.1 R237.2
/Bit 8/XOUT: Q522.1 Q568.3 Q572.1 Q573.1 R239.2
/Bit 8/~{P}: Q337.1 Q340.1 Q517.1 Q530.1 Q533.3 Q541.1 Q565.1 R226.2
/Bit 8/~{SOUT}: Q584.1 Q587.3 R249.2
/Bit 8/~{XIN}: Q321.1 Q360.1 Q371.1 Q374.3 Q566.1 R161.2
/Bit 9/A Register/A DFF/~{Q}: Q343.1 Q347.1 Q350.3 R152.2
/Bit 9/P Register/P DFF/CLR: Q322.3 Q323.3 Q336.2 Q337.2 Q342.2
/Bit 9/P Register/P DFF/Q: Q329.3 Q333.1 Q334.1 R142.2
/Bit 9/P Register/P DFF/SET: Q320.3 Q321.3 Q331.2 Q332.2
/Bit 9/X Register/X DFF/D: Q359.3 Q361.3 Q362.3 Q363.3 Q382.1 R156.2
/Bit 9/XOUT: Q323.1 Q369.3 Q373.1 Q374.1 R158.2
/Bit 10/A Register/A DFF/~{Q}: Q170.1 Q174.1 Q177.3 R74.2
/Bit 10/AIN: Q30.3 Q34.1 Q35.1 Q185.1 R12.2
/Bit 10/AOUT: Q172.3 Q176.1 Q177.1 Q358.1 R71.2
/Bit 10/INCP_CLK: Q164.1 Q167.1 Q318.1 Q331.1 Q334.3 Q342.1 Q366.1 R145.2
/Bit 10/P Register/P DFF/CLR: Q149.3 Q150.3 Q163.2 Q164.2 Q169.2
/Bit 10/P Register/P DFF/Q: Q156.3 Q160.1 Q161.1 R64.2
/Bit 10/P Register/P DFF/SET: Q147.3 Q148.3 Q158.2 Q159.2
/Bit 10/X Register/X DFF/D: Q186.3 Q188.3 Q189.3 Q190.3 Q209.1 R78.2
/Bit 10/XOUT: Q150.1 Q196.3 Q200.1 Q201.1 R80.2
